# Allegro board reServer industrial J401 Carrier Board v11.brd (continued)
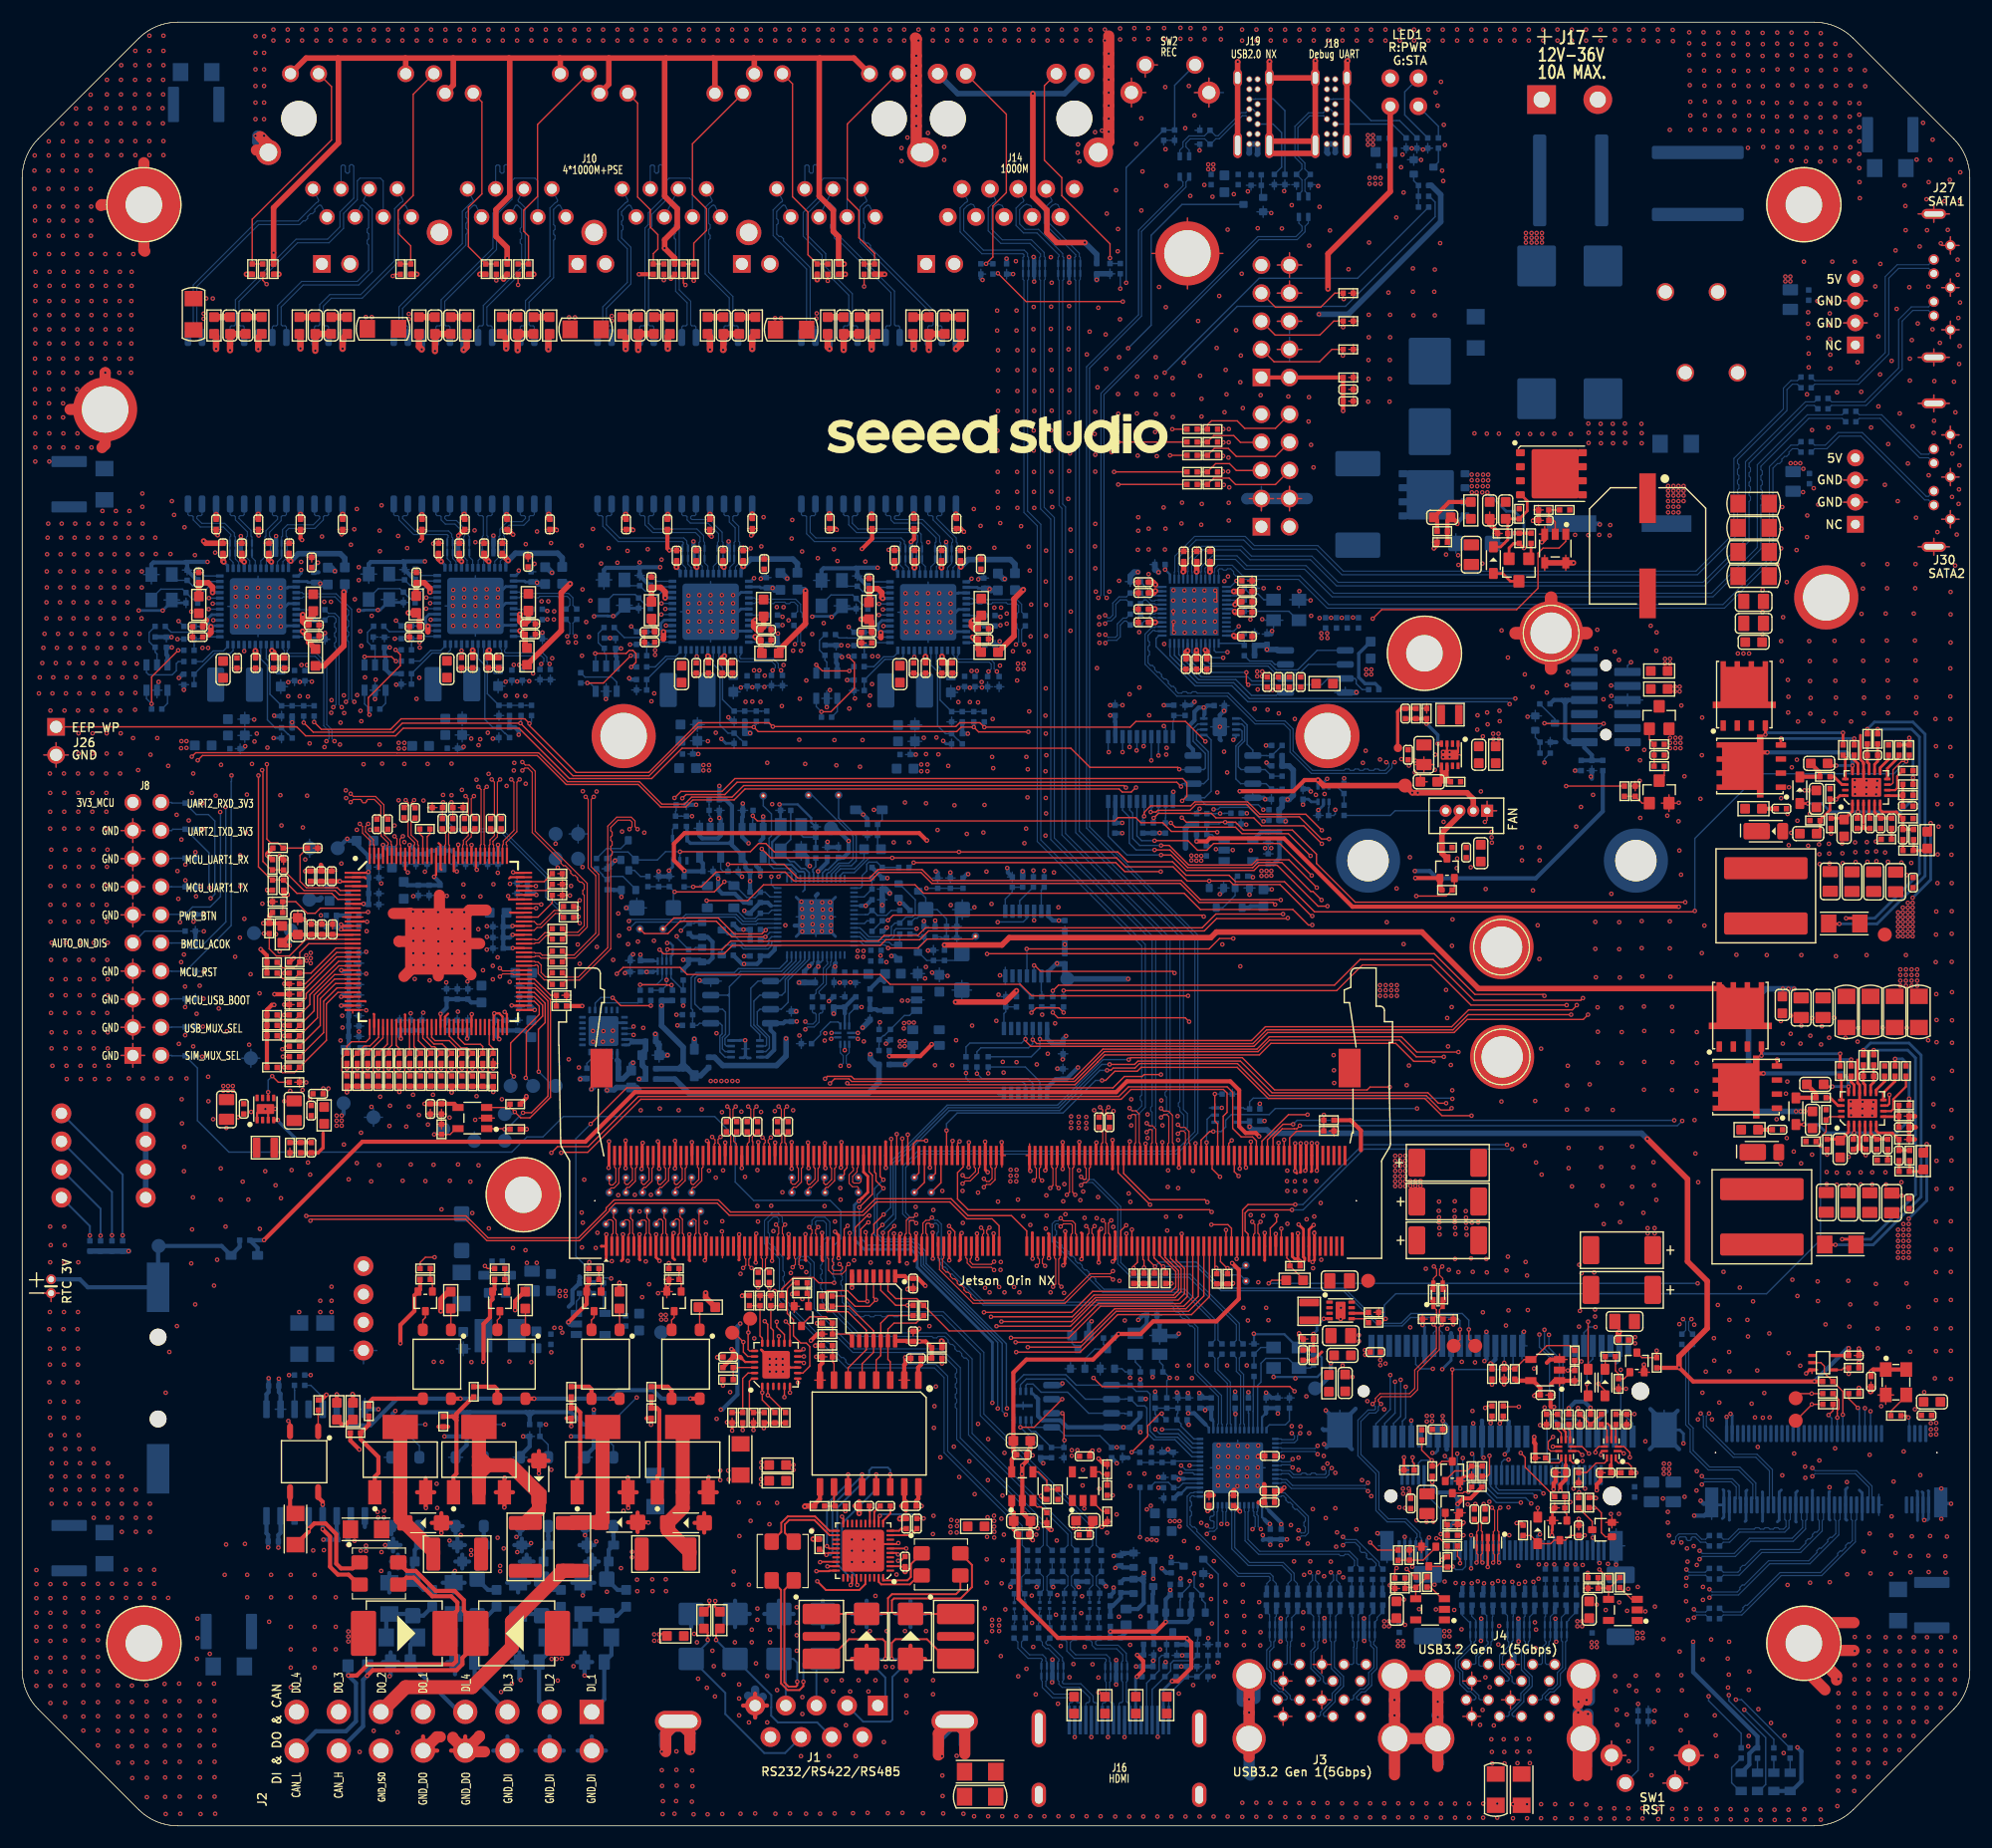
[diagram p0: board, top side]
## Routing (per net, layer and track width the routed paths; a pad name or vN(x,y) marks a point on that pad's centre or on a via; arc(x,y) is an arc through that point) (continued)
  vias: v1(1.52,102.34) v1(1.59,103.79) v1(1.82,105.08) v1(1.92,106.45) v1(2.02,107.72) v1(2.25,114.91) v1(2.23,113.36) v1(2.23,111.91) v1(2.2,110.57) v1(2.2,109.12) v1(2.35,117.68) v1(2.3,116.41) v1(2.46,44.88) v1(2.46,40.08) v1(2.56,100.79) v1(2.51,95.1) v1(2.53,93.35) v1(2.53,91.65) v1(2.53,90.12) v1(2.56,84.94) v1(2.56,83.24) v1(2.56,81.71) v1(2.53,54.16) v1(2.53,50.93) v1(2.51,46.43) v1(2.51,43.13) v1(2.51,41.68) v1(2.51,38.33) v1(2.51,36.88) v1(2.63,88.22) v1(2.58,86.67) v1(2.66,79.81) v1(2.61,78.26) v1(2.66,76.51) v1(2.66,75.06) v1(2.61,73.46) v1(2.66,71.71) v1(2.66,70.26) v1(2.58,52.48) v1(2.58,35.31) v1(2.63,34.06) v1(2.63,31.57) v1(2.66,30.38) v1(2.66,29.11) v1(2.74,102.34) v1(2.74,68.68) v1(2.68,32.77) v1(2.81,103.79) v1(3.04,105.08) v1(3.14,106.45) v1(3.24,107.72) v1(3.47,114.91) v1(3.45,113.36) v1(3.45,111.91) v1(3.42,110.57) v1(3.42,109.12) v1(3.52,116.41) v1(3.57,117.68) v1(3.73,44.88) v1(3.73,40.08) v1(3.83,100.79) v1(3.78,95.1) v1(3.8,93.35) v1(3.8,91.65) v1(3.8,90.12) v1(3.85,86.67) v1(3.83,84.94) v1(3.83,83.24) v1(3.83,81.71) v1(3.8,54.16) v1(3.85,52.48) v1(3.8,50.93) v1(3.78,46.43) v1(3.78,43.13) v1(3.78,41.68) v1(3.78,38.33) v1(3.78,36.88) v1(3.85,35.31) v1(3.95,102.34) v1(3.9,88.22) v1(3.93,79.81) v1(3.88,78.26) v1(3.93,76.51) v1(3.93,75.06) v1(3.88,73.46) v1(3.93,71.71) v1(3.93,70.26) v1(3.9,34.06) v1(3.95,32.77) v1(3.9,31.57) v1(3.93,30.38) v1(3.93,29.11) v1(4.03,103.79) v1(4.01,68.68) v1(4.03,67.49) v1(4.26,105.08) v1(4.36,106.45) v1(4.46,107.72) v1(4.67,113.36) v1(4.67,111.91) v1(4.64,110.57) v1(4.64,109.12) v1(4.74,116.41) v1(4.69,114.91) v1(4.79,117.68) v1(5.05,100.79) v1(5.05,95.1) v1(5.07,93.35) v1(5.07,91.65) v1(5.07,90.12) v1(5.07,50.93) v1(5.05,46.43) v1(5,44.88) v1(5.05,43.13) v1(5.05,41.68) v1(5,40.08) v1(5.05,38.33) v1(5.05,36.88) v1(5.1,98.73) v1(5.1,96.9) v1(5.12,86.67) v1(5.1,84.94) v1(5.1,83.24) v1(5.1,81.71) v1(5.15,78.26) v1(5.15,73.46) v1(5.12,35.31) v1(5.25,103.79) v1(5.17,102.34) v1(5.17,88.22) v1(5.2,79.81) v1(5.2,76.51) v1(5.2,75.06) v1(5.2,71.71) v1(5.2,70.26) v1(5.17,34.06) v1(5.22,32.77) v1(5.17,31.57) v1(5.2,30.38) v1(5.2,29.11) v1(5.28,68.68) v1(5.3,67.49) v1(5.48,105.08) v1(5.58,106.45) v1(5.68,107.72) v1(5.86,110.57) v1(5.86,109.12) v1(5.96,116.41) v1(5.91,114.91) v1(5.88,113.36) v1(5.88,111.91) v1(6.01,117.68) v1(6.32,100.79) v1(6.37,98.73) v1(6.37,96.9) v1(6.32,95.1) v1(6.34,93.35) v1(6.34,91.65) v1(6.34,90.12) v1(6.37,84.94) v1(6.37,83.24) v1(6.37,81.71) v1(6.44,102.34) v1(6.44,88.22) v1(6.39,86.67) v1(6.47,79.81) v1(6.42,78.26) v1(6.47,76.51) v1(6.47,75.06) v1(6.42,73.46) v1(6.47,71.71) v1(6.47,70.26) v1(6.44,34.06) v1(6.44,31.57) v1(6.47,30.38) v1(6.47,29.11) v1(6.47,27.84) v1(6.52,103.79) v1(6.55,68.68) v1(6.57,67.49) v1(6.49,32.77) v1(6.7,105.08) v1(6.8,106.45) v1(6.9,107.72) v1(7.13,114.91) v1(7.1,113.36) v1(7.1,111.91) v1(7.08,110.57) v1(7.08,109.12) v1(7.26,118.82) v1(7.23,117.68) v1(7.18,116.41) v1(7.59,100.79) v1(7.64,98.73) v1(7.64,96.9) v1(7.59,95.1) v1(7.61,93.35) v1(7.61,91.65) v1(7.61,90.12) v1(7.66,86.67) v1(7.64,84.94) v1(7.64,83.24) v1(7.64,81.71) v1(7.71,102.34) v1(7.71,88.22) v1(7.74,79.81) v1(7.69,78.26) v1(7.74,76.51) v1(7.74,75.06) v1(7.69,73.46) v1(7.74,71.71) v1(7.74,70.26) v1(7.76,32.77) v1(7.71,31.57) v1(7.74,30.38) v1(7.74,29.11) v1(7.74,27.84) v1(7.79,103.79) v1(7.82,68.68) v1(7.84,67.49) v1(7.97,105.08) v1(8.02,106.45) v1(8.12,107.72) v1(8.35,114.91) v1(8.32,113.36) v1(8.32,111.91) v1(8.3,110.57) v1(8.3,109.12) v1(8.45,117.68) v1(8.4,116.41) v1(8.48,118.82) v1(8.86,100.79) v1(8.86,95.1) v1(8.91,98.73) v1(8.91,96.9) v1(9.06,103.79) v1(8.98,102.34) v1(8.98,31.57) v1(9.01,30.38) v1(9.01,29.11) v1(9.01,27.84) v1(9.01,26.57) v1(9.24,105.08) v1(9.34,107.72) v1(9.29,106.45) v1(9.57,114.91) v1(9.54,113.36) v1(9.54,111.91) v1(9.52,110.57) v1(9.52,109.12) v1(9.67,117.68) v1(9.62,116.41) v1(9.64,67.54) v1(9.69,118.82) v1(10.02,98.3) v1(10.25,103.81) v1(10.23,102.39) v1(10.2,100.87) v1(10.36,105.03) v1(10.28,30.38) v1(10.28,29.11) v1(10.28,27.84) v1(10.28,26.57) v1(10.56,106.45) v1(10.48,95.4) v1(10.61,107.72) v1(10.86,120.4) v1(10.86,119.2) v1(10.84,116.41) v1(10.84,114.91) v1(10.81,113.36) v1(10.81,111.91) v1(10.79,109.12) v1(10.89,117.68) v1(10.91,67.54) v1(11.55,29.11) v1(11.55,27.84) v1(11.55,26.57) v1(11.6,96.8) v1(12.03,116.41) v1(12.08,114.94) v1(12.21,98.3) v1(12.18,67.54) v1(12.34,103.38) v1(12.97,39.14) v1(13.2,95.79) v1(13.3,42.83) v1(13.4,114.94) v1(13.45,67.54) v1(13.53,119.71) v1(13.73,118.47) v1(13.96,91.37) v1(14.04,86.29) v1(13.99,45.16) v1(14.11,83.77) v1(14.17,70.67) v1(14.27,81.66) v1(14.37,78.06) v1(14.39,89.13) v1(14.42,65.66) v1(14.44,63.48) v1(14.62,78.74) v1(14.65,61.37) v1(14.62,59.16) v1(14.67,117.35) v1(14.72,75.85) v1(14.85,67.54) v1(15.05,90.86) v1(15.33,93.35) v1(15.36,53.9) v1(15.28,50.83) v1(15.46,95.1) v1(15.46,70.44) v1(15.44,56.8) v1(15.49,81.71) v1(15.61,114.84) v1(15.64,47.12) v1(15.71,84) v1(15.77,73.38) v1(16.04,75.92) v1(16.27,69.51) v1(16.34,72.23) v1(16.42,80.84) v1(16.42,77.18) v1(16.39,74.75) v1(16.81,67.69) v1(16.83,65.48) v1(17.26,63.86) v1(17.34,48.82) v1(17.44,115.06) v1(17.49,93.09) v1(17.62,51.16) v1(17.77,73.87) v1(17.95,59.41) v1(17.95,56.59) v1(17.98,95.89) v1(18.46,63.07) v1(18.38,54.16) v1(18.51,71.81) v1(19.25,78.54) v1(19.29,111.91) v1(19.3,111.08) v1(19.28,110.2) v1(19.28,109.31) v1(19.31,108.4) v1(19.52,64.04) v1(19.7,87.71) v1(19.73,84.89) v1(19.68,80.27) v1(19.93,58.22) v1(20.08,81.97) v1(20.21,89.77) v1(20.3,111.87) v1(20.29,111.08) v1(20.3,110.2) v1(20.3,109.31) v1(20.33,108.4) v1(20.31,93.2) v1(20.44,56.59) v1(20.52,70.59) v1(20.64,76.96) v1(20.77,95.96) v1(20.69,64.52) v1(20.97,99.98) v1(21,97.99) v1(21.2,98.71) v1(21.31,111.08) v1(21.32,109.31) v1(21.34,108.4) v1(21.45,75.24) v1(21.48,53.95) v1(21.71,83.34) v1(21.96,59.16) v1(22.16,97.43) v1(22.33,111.87) v1(22.32,111.08) v1(22.33,110.2) v1(22.33,109.31) v1(22.36,108.4) v1(22.95,80.58) v1(22.88,64.8) v1(22.9,57.89) v1(23.26,79.02) v1(23.34,111.08) v1(23.35,109.31) v1(23.33,93.14) v1(23.44,90.4) v1(23.39,56.72) v1(23.69,65.48) v1(24.04,103.35) v1(24.04,102.08) v1(24.22,66.42) v1(24.35,59.26) v1(25.09,103.38) v1(25.09,102.08) v1(25.21,114.22) v1(25.37,90.22) v1(25.34,66.5) v1(25.55,81.86) v1(25.58,87.33) v1(25.67,67.19) v1(25.75,93.09) v1(25.82,102.06) v1(25.82,59.95) v1(25.98,97.82) v1(26.03,65.71) v1(26.03,58.85) v1(26.18,103.4) v1(26.62,81.55) v1(26.99,82.28) v1(27.09,116.51) v1(27.32,97.49) v1(27.96,101.73) v1(27.93,100.59) v1(28.77,99.7) v1(28.72,97.72) v1(28.85,86.96) v1(29.07,102.16) v1(29.1,100.56) v1(29.07,61.57) v1(29.25,93.58) v1(29.28,92.88) v1(29.51,58.42) v1(29.71,115.78) v1(30.01,117.17) v1(30.07,110.85) v1(30.24,119) v1(30.27,102.19) v1(30.24,90.01) v1(30.24,59.9) v1(30.42,113.74) v1(30.42,112.58) v1(30.44,71.78) v1(30.55,107.95) v1(30.65,106.63) v1(30.57,100.76) v1(30.65,99.82) v1(30.62,62.64) v1(30.85,95.94) v1(30.98,103.79) v1(31.17,81.7) v1(31.13,80.85) v1(31.09,78.99) v1(31.09,77) v1(31.09,73.7) v1(31.43,90.01) v1(31.56,64.98) v1(31.54,58.24) v1(31.59,109.35) v1(31.95,103.58) v1(32.3,117.05) v1(32.33,115.19) v1(32.3,97.72) v1(32.35,65.89) v1(32.28,59.72) v1(32.45,85.17) v1(32.48,119.33) v1(32.53,95.99) v1(33.24,65.08) v1(33.19,63.25) v1(33.65,90.4) v1(33.8,103.13) v1(33.98,116.56) v1(34.02,92.68) v1(34.38,58.3) v1(34.54,95.96) v1(34.54,88.9) v1(34.71,63.2) v1(34.79,115.47) v1(34.85,86.16) v1(34.94,65) v1(35.11,73.43) v1(35.12,59.77) v1(35.34,84.01) v1(35.32,82.62) v1(35.35,81.12) v1(35.35,79.98) v1(35.35,78.86) v1(35.35,77.79) v1(35.32,66.07) v1(35.48,76.53) v1(35.64,101.85) v1(35.86,64.24) v1(35.89,103.75) v1(36.27,92.66) v1(36.26,82.62) v1(36.25,73.48) v1(36.29,81.12) v1(36.29,79.98) v1(36.29,78.86) v1(36.29,77.79) v1(36.39,86.23) v1(36.44,58.27) v1(36.64,95.96) v1(36.67,63.38) v1(36.82,76.41) v1(37.13,66.07) v1(37.18,59.74) v1(37.2,41.93) v1(37.58,82.57) v1(37.61,81.07) v1(37.61,78.81) v1(37.61,77.74) v1(37.93,41.93) v1(38.04,93.16) v1(38.33,76.22) v1(38.37,84.04) v1(38.63,64.01) v1(38.65,58.3) v1(38.8,95.99) v1(38.8,93.14) v1(38.83,82.57) v1(38.85,81.07) v1(38.85,79.93) v1(38.85,78.81) v1(38.85,77.74) v1(38.96,111.69) v1(38.93,110.96) v1(38.93,110.24) v1(38.93,109.36) v1(38.95,108.44) v1(39.28,86.25) v1(39.38,73.58) v1(39.39,59.77) v1(39.74,93.62) v1(39.87,83.97) v1(39.94,111.74) v1(39.94,111.01) v1(39.94,110.24) v1(39.94,109.36) v1(39.97,108.44) v1(39.88,85.07) v1(39.94,82.57) v1(39.97,81.07) v1(39.97,79.93) v1(39.99,78.81) v1(39.99,77.74) v1(40.24,76.31) v1(40.5,58.22) v1(40.58,98.25) v1(40.6,41.91) v1(40.89,117.07) v1(40.96,116) v1(40.96,111.74) v1(40.96,111.01) v1(40.96,109.36) v1(40.94,63.81) v1(40.98,108.44) v1(41.06,94.53) v1(41.06,65.94) v1(41.24,97.66) v1(41.22,81.03) v1(41.24,59.69) v1(41.39,98.2) v1(41.41,83.99) v1(41.65,77.32) v1(41.98,111.74) v1(41.98,111.01) v1(41.98,110.24) v1(41.98,109.36) v1(42,108.44) v1(41.99,81.29) v1(42,80.34) v1(41.99,79.19) v1(42.08,98.78) v1(42.15,95.07) v1(42.53,77.72) v1(42.53,76.5) v1(42.59,85.09) v1(42.97,78.49) v1(42.99,111.01) v1(42.99,109.36) v1(42.98,86.13) v1(43.35,65.66) v1(43.69,103.4) v1(43.69,102.13) v1(43.78,93.97) v1(43.92,84.03) v1(44.06,76.27) v1(44.03,41.96) v1(44.08,85.13) v1(44.43,95.38) v1(44.47,96.06) v1(44.73,103.42) v1(44.73,102.13) v1(45.47,102.1) v1(45.51,115.83) v1(45.5,94.17) v1(45.82,103.45) v1(46.01,41.91) v1(46.17,104.14) v1(46.52,116.97) v1(47.79,115.93) v1(47.81,42.8) v1(47.9,105.51) v1(48.05,109.02) v1(48.07,109.76) v1(49.34,106.96) v1(49.39,69.27) v1(49.5,84.08) v1(49.6,84.94) v1(50.03,106.94) v1(50.21,79.65) v1(50.31,68.53) v1(50.38,83.64) v1(50.38,81.58) v1(50.39,77.9) v1(50.56,115.7) v1(50.56,55.43) v1(50.64,111.74) v1(50.59,105.74) v1(50.66,93.5) v1(50.66,54.51) v1(50.59,52.28) v1(50.79,58.4) v1(50.97,108.79) v1(51.22,107.44) v1(51.35,110.72) v1(51.58,117.2) v1(51.58,71.83) v1(51.59,70.86) v1(51.83,52.22) v1(51.91,93.47) v1(51.93,79.43) v1(51.99,53.6) v1(52.32,114.07) v1(52.48,70.86) v1(53,115.47) v1(53.13,107.34) v1(53.31,70.94) v1(53.28,51.03) v1(53.41,78.26) v1(53.38,71.86) v1(53.79,114.15) v1(53.87,82.45) v1(53.87,57) v1(53.94,80.44) v1(54.21,89.85) v1(54.7,115.22) v1(54.75,79.68) v1(54.73,51.06) v1(55.36,57.03) v1(55.64,79.91) v1(55.8,114.18) v1(55.8,55.53) v1(55.9,64.67) v1(56.02,47.78) v1(56.13,72.11) v1(56.22,89.76) v1(56.35,51.01) v1(56.53,115.37) v1(56.66,48.95) v1(56.86,101.63) v1(57.12,102.34) v1(57.09,79.99) v1(57.47,48.13) v1(57.62,64.82) v1(57.78,114.43) v1(59.33,64.67) v1(60.22,111.18) v1(60.19,110.45) v1(60.18,109.72) v1(60.18,108.83) v1(60.21,107.94) v1(61.2,111.22) v1(61.2,110.48) v1(61.2,109.72) v1(61.2,108.83) v1(61.22,107.94) v1(61.41,64.75) v1(61.79,54.53) v1(61.97,98.02) v1(62.07,59.21) v1(62.21,111.22) v1(62.21,110.48) v1(62.21,108.83) v1(62.24,107.94) v1(62.68,98.78) v1(62.74,71.63) v1(62.68,58.57) v1(62.76,36.78) v1(63.23,111.22) v1(63.23,110.48) v1(63.23,109.72) v1(63.23,108.83) v1(63.25,107.94) v1(63.24,64.49) v1(63.26,54.64) v1(63.24,53.72) v1(63.34,59.24) v1(63.7,36.48) v1(63.97,39.19) v1(64.24,110.48) v1(64.24,108.83) v1(64.94,102.87) v1(64.91,49.89) v1(64.99,64.54) v1(65.37,101.58) v1(65.32,58.65) v1(65.83,115.45) v1(65.98,102.9) v1(65.98,101.6) v1(66.16,44.05) v1(66.44,59.26) v1(66.44,56.01) v1(66.49,54.61) v1(66.72,101.57) v1(66.77,64.52) v1(66.79,115.62) v1(67,118.26) v1(67.1,103.94) v1(67.07,102.92) v1(67.33,96.07) v1(67.56,42.19) v1(67.56,41.66) v1(67.56,41.05) v1(67.68,56.03) v1(67.77,92.33) v1(67.89,53.75) v1(68.01,64.59) v1(67.99,48.34) v1(68.14,42.19) v1(68.14,41.66) v1(68.14,41.05) v1(68.65,101.2) v1(68.7,57.25) v1(68.72,42.19) v1(68.75,41.05) v1(68.8,104.9) v1(68.97,81.38) v1(69.26,108.94) v1(69.46,49.96) v1(69.54,116.33) v1(69.59,118.01) v1(69.66,106.2) v1(69.66,64.67) v1(70.22,98.15) v1(70.24,71.42) v1(70.27,101.86) v1(70.38,106.2) v1(70.41,83.51) v1(70.47,82.85) v1(70.48,115.17) v1(70.52,82.12) v1(70.49,81.38) v1(70.49,80.82) v1(70.5,47.6) v1(70.76,95.96) v1(70.86,103.51) v1(70.86,50.04) v1(71.33,83.46) v1(71.39,107.7) v1(71.38,82.8) v1(71.41,82.14) v1(71.43,81.48) v1(71.43,80.85) v1(71.9,114.56) v1(72.27,80.85) v1(72.29,83.46) v1(72.35,82.8) v1(72.28,81.37) v1(72.43,108.69) v1(72.4,82.09) v1(72.52,70.97) v1(72.51,56.01) v1(72.57,71.63) v1(72.99,102.64) v1(73.01,83.46) v1(73.06,82.8) v1(73.11,82.09) v1(73.09,81.4) v1(73.08,80.85) v1(73.35,115.37) v1(73.4,98.12) v1(73.45,54.61) v1(73.58,95.84) v1(73.68,114.3) v1(73.87,76.2) v1(73.93,57.64) v1(73.96,56.59) v1(74.74,100.97) v1(74.83,76.22) v1(75.25,101.88) v1(75.18,51.11) v1(75.71,95.71) v1(75.94,98.12) v1(76.05,70.89) v1(76.19,114.25) v1(76.55,101.27) v1(76.62,102.14) v1(76.67,50.9) v1(76.8,103.18) v1(77.56,78.64) v1(78.1,78.06) v1(78.3,115.32) v1(78.3,50.9) v1(78.76,88.88) v1(79.51,74.57) v1(79.83,111.39) v1(79.87,110.45) v1(79.84,109.67) v1(79.84,108.78) v1(79.86,107.87) v1(79.77,92.48) v1(79.95,50.83) v1(80.03,74.58) v1(80.15,88.88) v1(80.74,55.93) v1(80.84,111.39) v1(80.85,110.44) v1(80.85,109.67) v1(80.85,108.78) v1(80.88,107.87) v1(81.48,98.33) v1(81.67,77.62) v1(81.59,76.58) v1(81.68,96.85) v1(81.68,92.41) v1(81.86,111.39) v1(81.87,110.44) v1(81.87,108.78) v1(81.88,116) v1(81.9,107.87) v1(81.98,45.16) v1(82.23,77.11) v1(82.34,55.65) v1(82.44,37.92) v1(82.39,35.97) v1(82.49,68.73) v1(82.57,39.7) v1(82.62,98.35) v1(82.72,89.99) v1(82.8,96.83) v1(82.87,111.39) v1(82.89,110.44) v1(82.89,109.67) v1(82.89,108.78) v1(82.91,107.87) v1(82.97,33.3) v1(83.15,57.38) v1(83.62,76.81) v1(83.68,95.79) v1(83.9,110.44) v1(83.9,108.78) v1(83.91,83.21) v1(84.04,68.73) v1(84.24,92.23) v1(84.19,34.27) v1(84.4,71) v1(84.6,102.82) v1(84.6,101.55) v1(84.68,31.52) v1(84.98,57.38) v1(85.01,54.49) v1(85.36,89.64) v1(85.59,115.5) v1(85.64,102.85) v1(85.64,101.55) v1(85.59,32.95) v1(85.84,72.32) v1(86,119) v1(86.05,83.01) v1(86.07,29.97) v1(86.38,101.53) v1(86.38,57.23) v1(86.38,36.32) v1(86.61,117.48) v1(86.7,103.37) v1(86.73,102.88) v1(86.86,89.77) v1(86.96,92.26) v1(86.99,19.66) v1(87.14,86.24) v1(87.16,24.08) v1(87.16,21.97) v1(87.14,16.64) v1(87.27,31.24) v1(87.24,27.89) v1(87.19,26.11) v1(87.29,34.95) v1(87.65,96.6) v1(87.6,83.31) v1(87.65,18.62) v1(87.65,18.11) v1(87.65,17.6) v1(87.7,100.03) v1(87.75,95.58) v1(87.85,115.5) v1(87.82,28.03) v1(87.84,27.56) v1(87.84,27.04) v1(87.85,26.57) v1(87.84,26.06) v1(88.03,72.75) v1(88.1,136.93) v1(88.1,135.13) v1(88.13,126.09) v1(88.13,124.28) v1(88.16,122.35) v1(88.16,120.55) v1(88.18,133.35) v1(88.18,131.55) v1(88.18,129.67) v1(88.18,127.87) v1(88.18,119.1) v1(88.23,75.11) v1(88.18,56.42) v1(88.36,104.85) v1(88.36,76.86) v1(88.28,18.62) v1(88.28,18.11) v1(88.28,17.6) v1(88.38,117.73) v1(88.43,50.95) v1(88.41,50.24) v1(88.43,15.34) v1(88.49,27.76) v1(88.51,21.92) v1(88.61,69.04) v1(88.59,29.85) v1(88.61,24.01) v1(88.69,68.07) v1(88.76,33.71) v1(88.71,26.32) v1(88.84,19.56) v1(88.97,109.55) v1(88.97,108.64) v1(89.53,106.15) v1(89.8,141.4) v1(89.86,136.93) v1(89.86,135.13) v1(89.86,69.01) v1(89.93,133.35) v1(89.93,131.55) v1(89.93,129.67) v1(89.93,127.87) v1(89.88,126.09) v1(89.88,124.28) v1(89.91,122.35) v1(89.91,120.55) v1(89.93,119.1) v1(89.91,103.51) v1(89.98,56.59) v1(90.01,13.52) v1(90.26,117.45) v1(90.34,31.8) v1(90.47,55.1) v1(90.57,88.8) v1(90.59,28.22) v1(90.75,96.6) v1(90.72,90.12) v1(90.75,14.19) v1(90.85,92.94) v1(90.95,115.6) v1(90.95,106.12) v1(90.87,95.48) v1(91.05,113.44) v1(91,100.71) v1(91.13,107.5) v1(91.1,54.31) v1(91.18,110.37) v1(91.23,20.81) v1(91.25,18.34) v1(91.36,133.35) v1(91.3,33.48) v1(91.36,16.17) v1(91.41,137.26) v1(91.38,135.26) v1(91.46,131.55) v1(91.46,129.67) v1(91.46,127.87) v1(91.41,126.09) v1(91.41,124.28) v1(91.43,122.35) v1(91.43,120.55) v1(91.46,119.1) v1(91.64,26.32) v1(91.59,11.88) v1(91.69,68.81) v1(91.75,26.88) v1(92.17,73.31) v1(92.52,115.24) v1(92.5,112.45) v1(92.52,110.34) v1(92.52,107.52) v1(92.5,102.8) v1(92.47,100.33) v1(92.5,98.71) v1(92.55,96.75) v1(92.47,95.3) v1(92.5,92.89) v1(92.52,91.49) v1(92.47,89.49) v1(92.55,56.97) v1(92.5,53.98) v1(92.57,55.15) v1(92.68,69.78) v1(92.96,141.76) v1(92.96,135.28) v1(92.93,133.38) v1(92.93,48.21) v1(93.03,139.45) v1(92.98,137.29) v1(93.03,131.57) v1(93.03,129.69) v1(93.03,127.89) v1(92.98,126.11) v1(92.98,124.31) v1(93.01,122.38) v1(93.01,120.58) v1(93.08,119.18) v1(93.24,86.16) v1(93.34,72.52) v1(93.41,19.08) v1(93.49,25.78) v1(93.54,20.86) v1(93.64,83.01) v1(93.6,11.04) v1(93.85,16.25) v1(94.07,56.44) v1(94.15,48.16) v1(94.18,57.99) v1(94.28,55.27) v1(94.56,133.43) v1(94.53,119.92) v1(94.61,137.34) v1(94.58,135.33) v1(94.66,131.63) v1(94.63,129.75) v1(94.61,127.74) v1(94.58,125.83) v1(94.61,122.43) v1(94.64,13.43) v1(94.68,124.03) v1(94.73,117.15) v1(94.73,112.75) v1(94.76,109.73) v1(94.73,108) v1(94.78,115.22) v1(95,14.62) v1(95.5,59.24) v1(95.62,56.54) v1(95.7,19.23) v1(95.85,32.18) v1(95.83,30.76) v1(95.78,20.75) v1(95.88,57.33) v1(96,54.94) v1(95.98,28.68) v1(96.01,16.17) v1(96.21,132.97) v1(96.46,135.03) v1(96.72,14.6) v1(96.87,64.67) v1(96.97,127.79) v1(96.92,125.78) v1(96.97,123.9) v1(96.97,122.38) v1(96.97,117.66) v1(96.94,115.62) v1(96.97,113.64) v1(97.02,111.53) v1(97.17,130) v1(97.12,104.63) v1(97.1,54.92) v1(97.25,137.19) v1(97.22,56.82) v1(97.26,13.4) v1(97.26,12.06) v1(97.33,109.24) v1(97.33,108.58) v1(97.32,107.65) v1(97.35,106.91) v1(97.31,33.95) v1(97.91,134.77) v1(97.96,131.68) v1(98.01,145.7) v1(98.04,26.49) v1(98.24,111.53) v1(98.44,124.13) v1(98.62,64.59) v1(98.59,54.13) v1(98.85,147.81) v1(98.9,28.15) v1(99.03,144.3) v1(99,142.29) v1(99.03,129.39) v1(99.05,127.61) v1(98.98,125.99) v1(99.13,132.72) v1(99.15,49.25) v1(99.1,18.9) v1(99.2,136.15) v1(99.43,101.27) v1(99.64,45.67) v1(100.07,102.26) v1(99.99,57.15) v1(100.04,31.85) v1(100.14,56.39) v1(100.14,30.71) v1(100.12,16.36) v1(100.22,65.66) v1(100.22,63.3) v1(100.65,126.01) v1(100.68,152) v1(100.75,130.96) v1(100.7,129.42) v1(100.73,127.64) v1(100.8,123.83) v1(100.85,118.26) v1(100.85,117.04) v1(100.82,115.31) v1(100.94,107.87) v1(100.96,102.87) v1(101.06,18.93) v1(101.13,154.31) v1(101.13,145.98) v1(101.24,149.51) v1(101.41,31.83) v1(101.63,28.6) v1(101.69,64.29) v1(101.69,62.16) v1(101.8,117.22) v1(101.79,115.34) v1(101.85,100.36) v1(101.99,28.93) v1(102.43,132.72) v1(102.43,129.36) v1(102.46,127.59) v1(102.38,125.96) v1(102.48,130.91) v1(102.53,123.78) v1(102.73,139.07) v1(102.82,15.94) v1(102.94,65.56) v1(103.04,63.3) v1(103.14,119.14) v1(103.26,115.34) v1(103.2,106.8) v1(103.29,157.13) v1(103.32,151.51) v1(103.34,137.24) v1(103.31,117.22) v1(103.37,55.04) v1(103.4,148.21) v1(103.42,97.42) v1(103.38,96.81) v1(103.47,53.8) v1(103.55,59.24) v1(103.52,57.74) v1(103.95,130.84) v1(104,129.34) v1(103.98,127.31) v1(104.04,111.66) v1(104.02,110.74) v1(104.06,108.79) v1(104.36,40.46) v1(104.41,64.14) v1(104.46,61.98) v1(104.46,57.64) v1(104.39,41.58) v1(104.52,11.96) v1(104.67,55.07) v1(104.76,117.7) v1(104.81,119.58) v1(105.03,111.65) v1(105.02,110.73) v1(105.03,109.75) v1(105.02,108.79) v1(105.05,107.84) v1(105,25.73) v1(105.1,153.42) v1(105.43,157.23) v1(105.45,41.61) v1(105.55,147.3) v1(105.71,40.46) v1(105.82,12.72) v1(105.94,154.56) v1(105.92,111.66) v1(105.91,110.74) v1(105.92,109.76) v1(105.91,108.8) v1(105.95,107.85) v1(106.27,135.99) v1(106.24,25.1) v1(106.39,151.41) v1(106.44,131.04) v1(106.57,128.96) v1(106.57,127.36) v1(106.54,117.58) v1(106.54,27.38) v1(106.6,119.46) v1(106.6,21.74) v1(106.82,148.29) v1(106.84,111.64) v1(106.82,110.75) v1(106.83,109.77) v1(106.82,108.81) v1(106.86,107.86) v1(107.05,41.61) v1(107.18,16.97) v1(107.43,22.53) v1(107.43,20.5) v1(107.56,147.22) v1(107.51,18.29) v1(107.71,26.01) v1(107.69,23.93) v1(107.69,13.52) v1(107.83,110.74) v1(107.79,108.84) v1(107.82,107.89) v1(107.87,88.26) v1(107.94,133.56) v1(108,93.39) v1(108.06,31.65) v1(108.06,30.76) v1(108.02,14.76) v1(108.17,138.25) v1(108.11,34.39) v1(108.08,33.4) v1(108.09,32.41) v1(108.45,79.66) v1(108.54,126.23) v1(108.55,125.01) v1(108.52,123.79) v1(108.52,122.39) v1(108.65,127.75) v1(108.59,121.18) v1(108.63,112.48) v1(108.61,97.07) v1(108.75,131.57) v1(108.73,21.8) v1(108.73,20.25) v1(108.83,129.36) v1(108.86,18.98) v1(108.86,17.53) v1(108.83,16.33) v1(108.93,144.25) v1(108.97,112.91) v1(108.89,95.19) v1(108.88,41.61) v1(108.95,31.65) v1(108.95,30.76)